# Altium PCB SI941C.PcbDoc (part 1 of 3)
Units mm, origin at the board's own origin, x right, y up, seen from the top; angles counter-clockwise.
Board outline 281.94 x 89 mm, 4 copper layers (Top, MidLayer1, MidLayer2, Bottom), stack 1.65 mm thick; 324 components, 169 nets, 867 pads, 510 vias.
Unrouted connection lines stored in the file: 3.
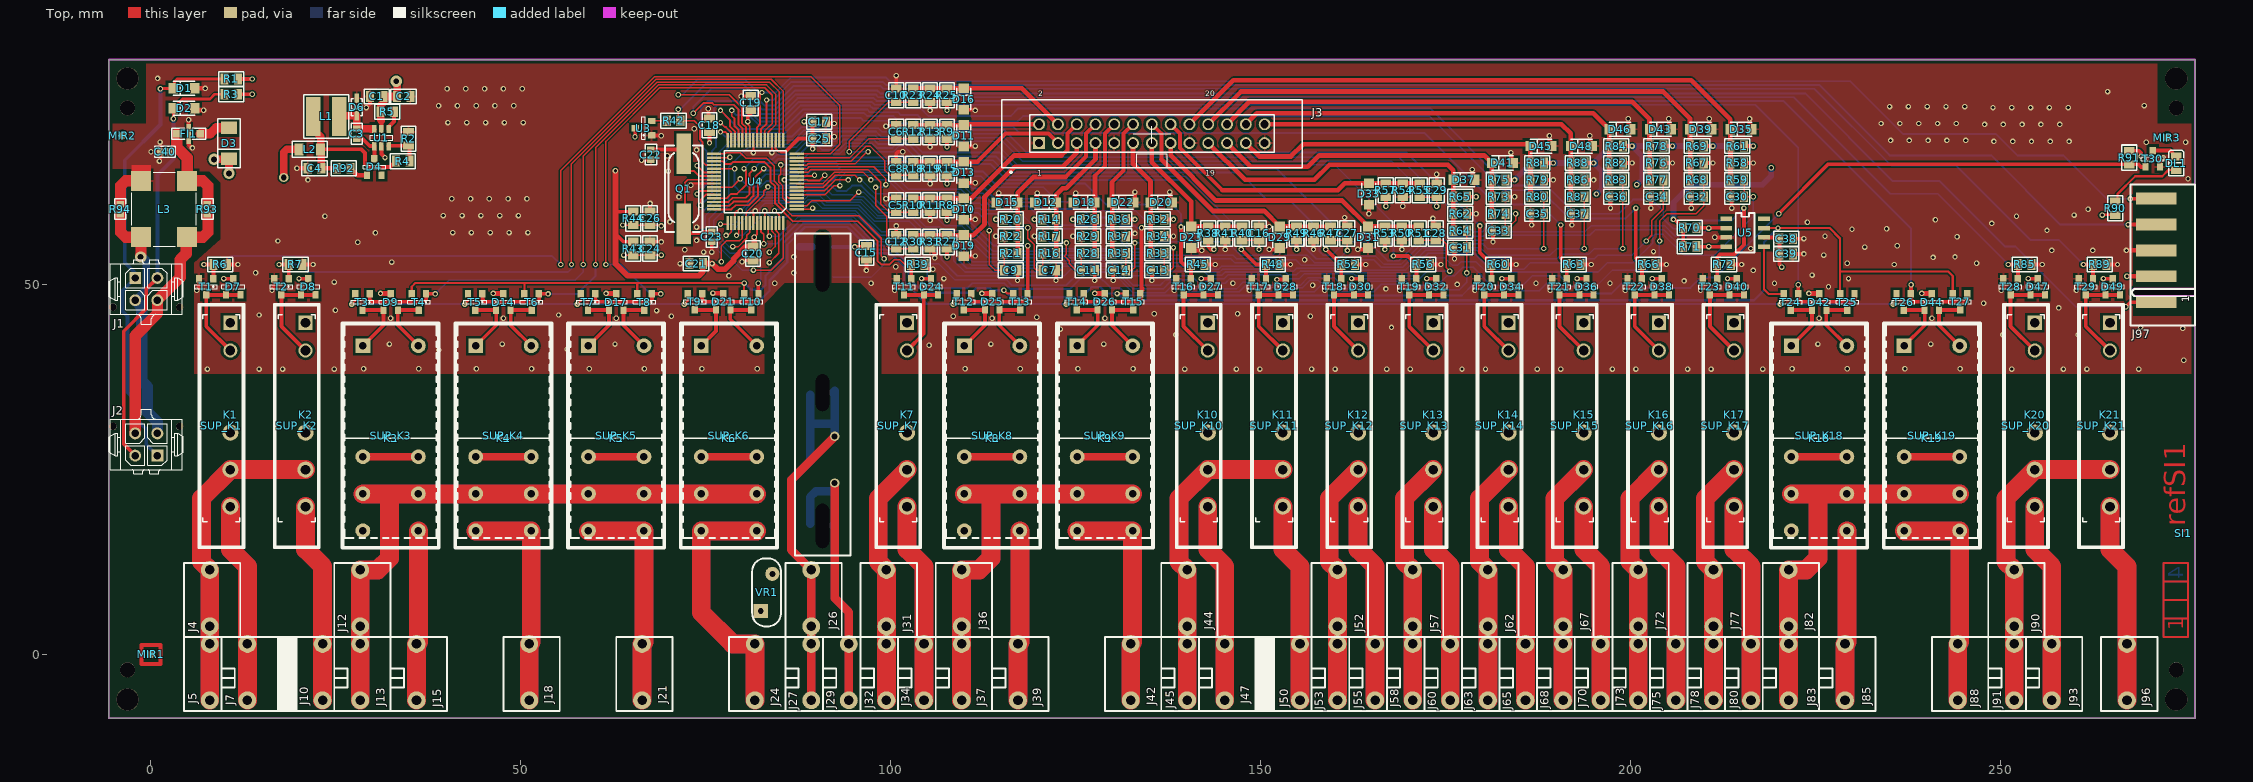
[diagram p0: Top view]
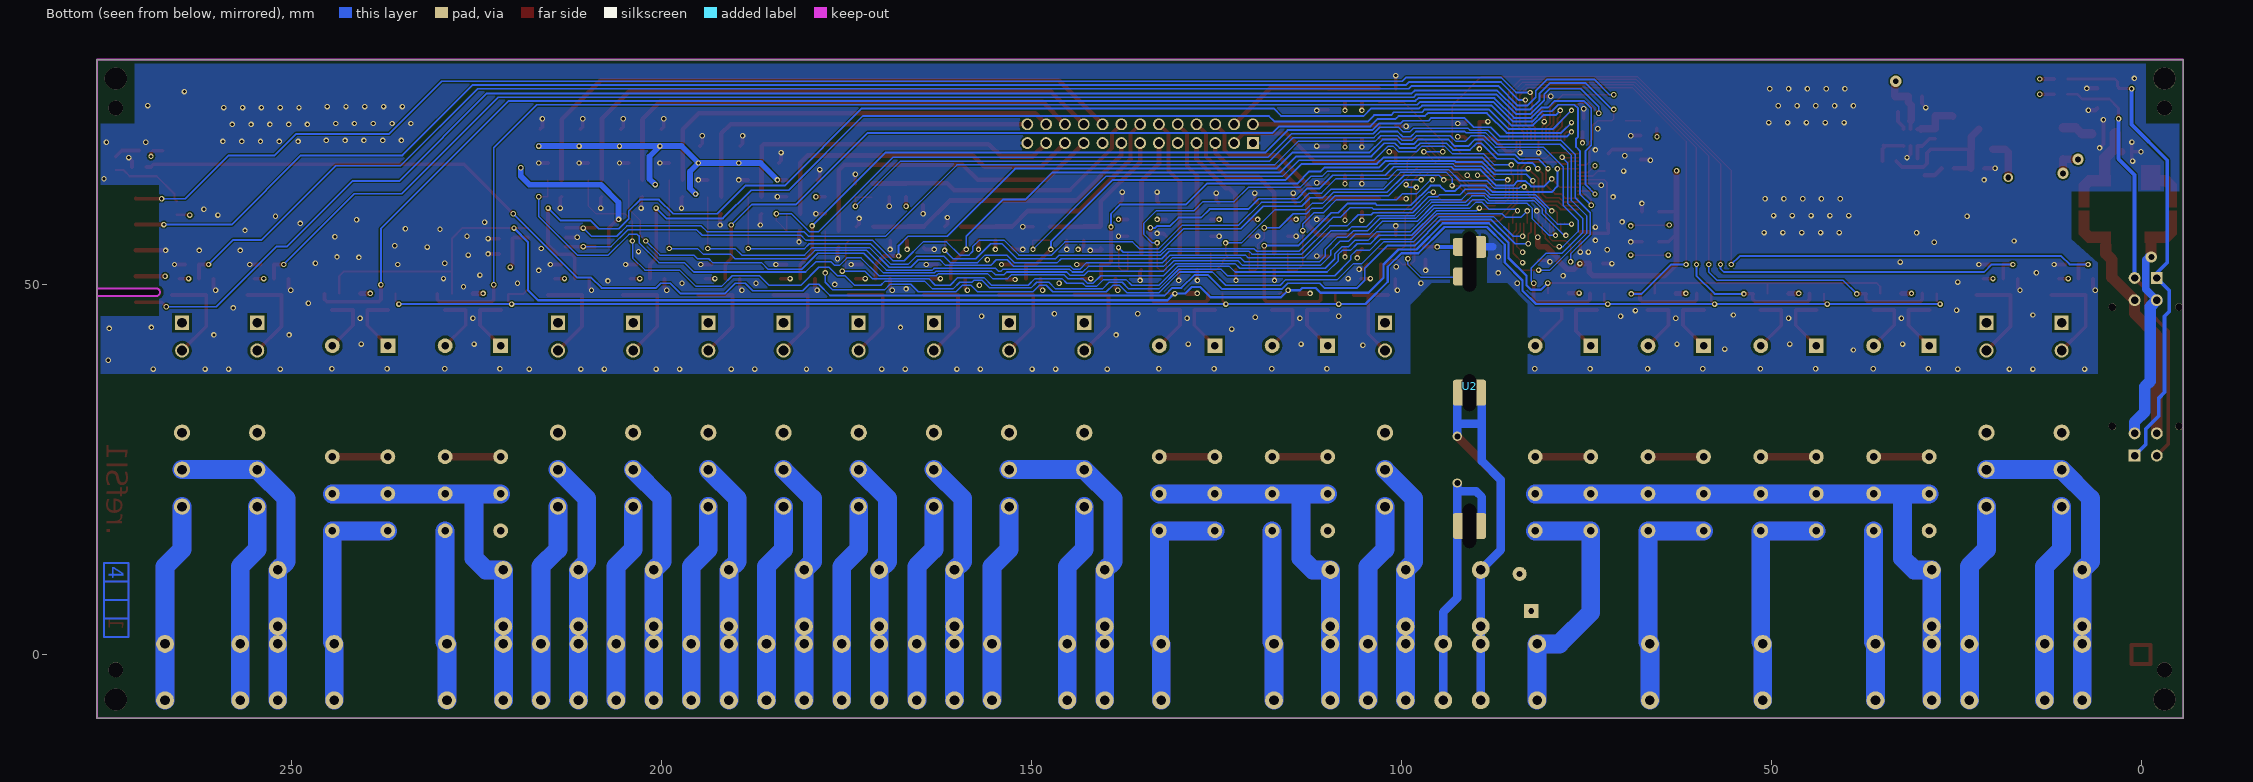
[diagram p1: Bottom view, seen from below]
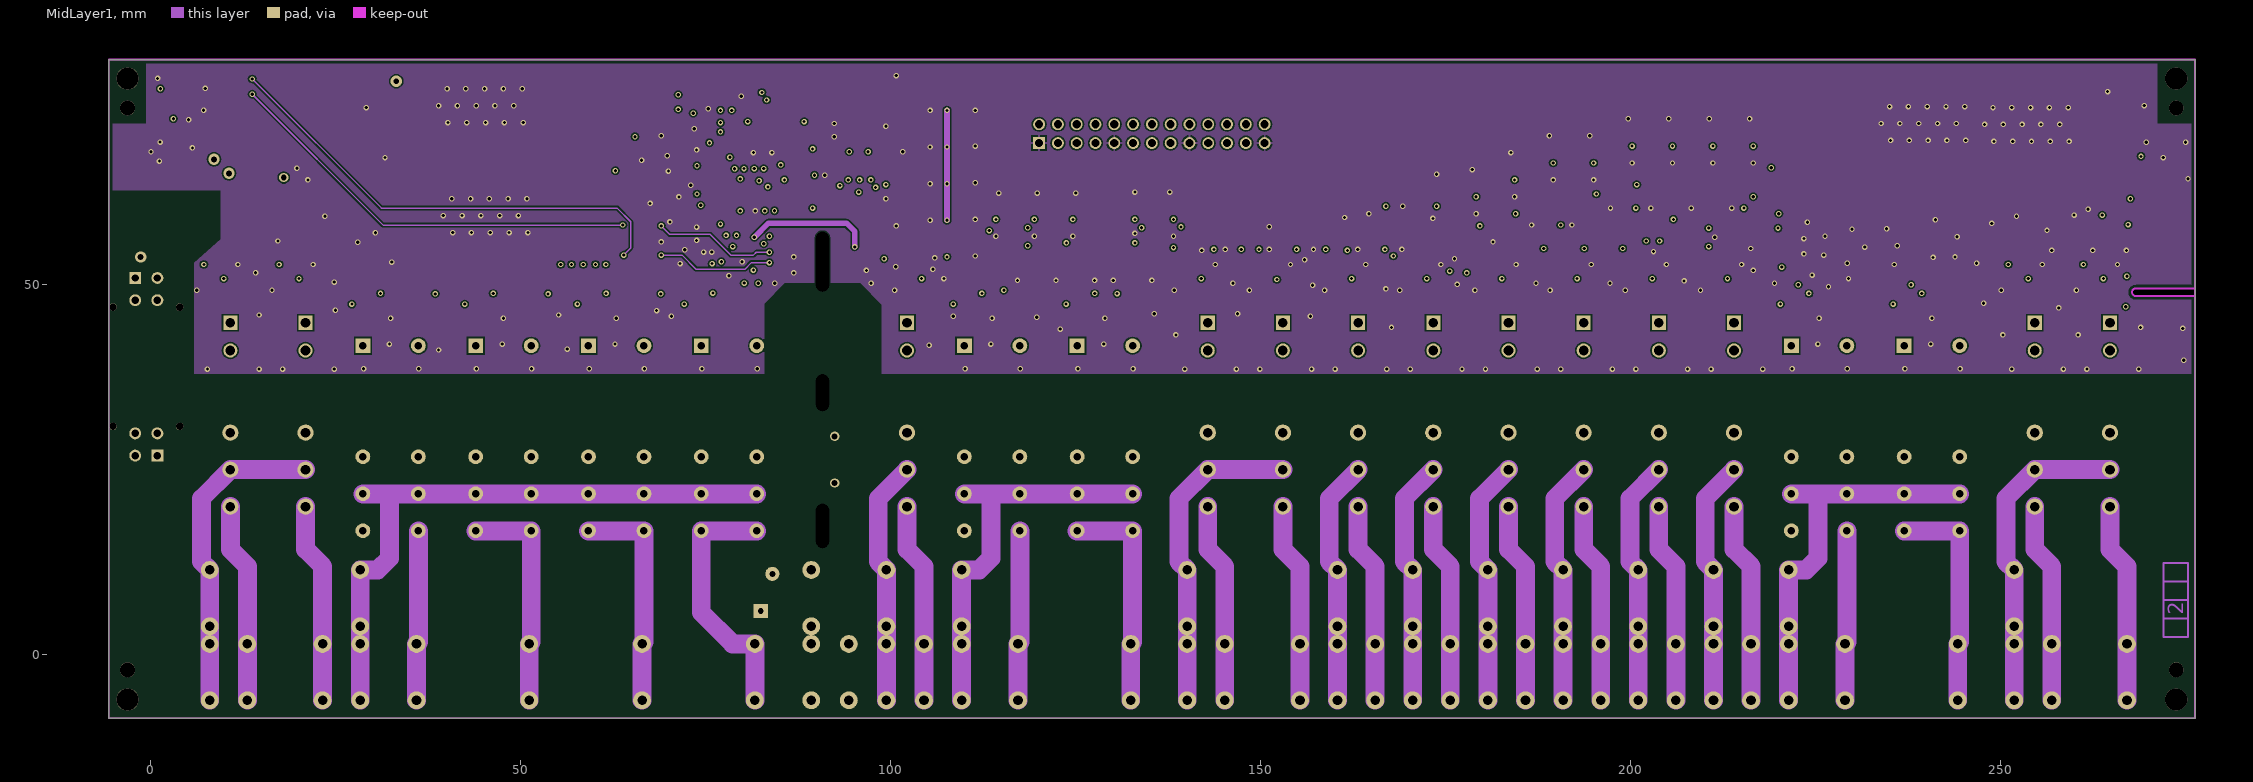
[diagram p2: MidLayer1]
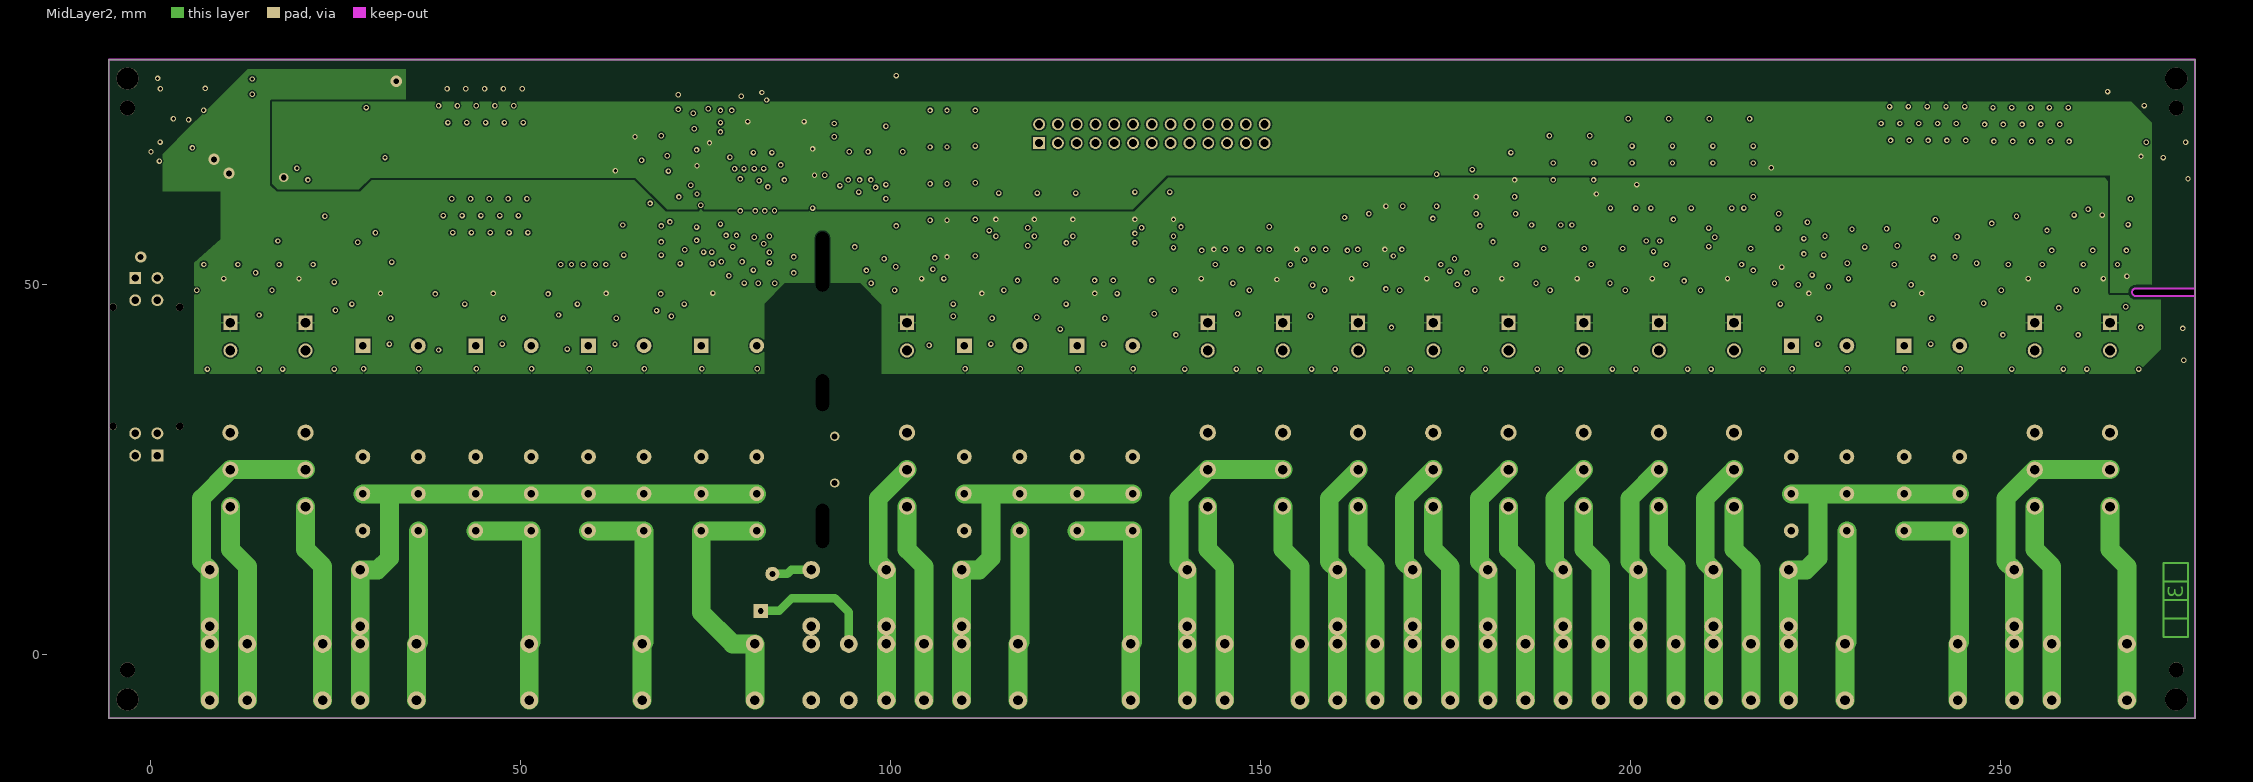
[diagram p3: MidLayer2]
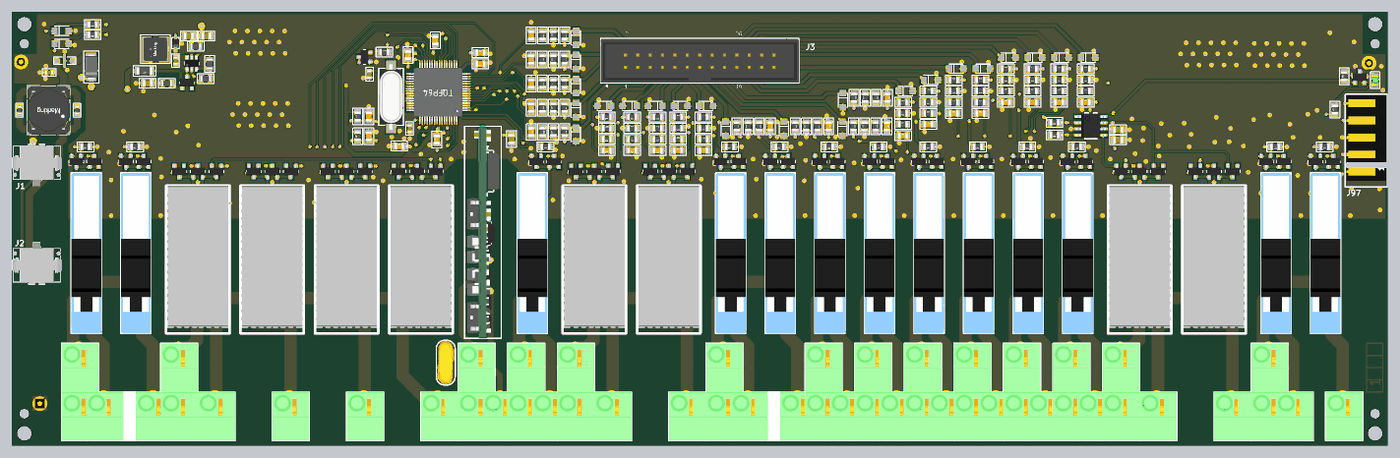
[diagram p6: 3D render of the assembled board from above, using the file's embedded part models]

## Layer stack, top to bottom
Top Mask: solder mask 0.0102, Solder Resist, Dk 3.5
Top: signal copper 0.035
Dielectric1: prepreg 0.4, FR-4, Dk 4.8
MidLayer1: signal copper 0.035
Dielectric2: core 0.71, FR-4, Dk 4.8
MidLayer2: signal copper 0.035
Dielectric3: prepreg 0.4, FR-4, Dk 4.8
Bottom: signal copper 0.035
Bot Mask: solder mask 0.0102, Solder Resist, Dk 3.5

## Board outline
-5.715,-8.62 276.225,-8.62 276.225,80.38 -5.715,80.38
cut-out: 268.229,48.441 cw(c268.229,48.96) 268.229,49.479 276.225,49.479 276.225,48.441

## Design rules (kind name [scope] priority, off if disabled: settings)
Clearance Clearance_Copper_Board [InPolygon vs (OnLayer('Board'))] p1: gap=0.381
Clearance Clearance_BT_MID [IsElectrical and (InNetClass('BT') or haspad('K*-12') )  and OnMid     and not IsRegion vs IsElectrical and not (InNetClass('BT')) and OnMid          and not IsRegion] p2: gap=0.7
Clearance Clearance_BT_EXT [IsElectrical and (InNetClass('BT') or haspad('K*-12') )     and not onmid vs IsElectrical and not (InNetClass('BT')) and not onmid] p3: gap=5.5
Clearance Clearance_Copper_Copper [InPolygon vs InPolygon] p4: gap=0.35
Clearance Clearance_CopperToPad_EXT [InPolygon and (OnBottomLayer or OnTopLayer) vs IsPad] p5: gap=0.35
Clearance Clearance_CopperToPad_MID [InPolygon vs IsPad] p6: gap=0.2
Clearance Clearance_CopperToWire_x [InPolygon vs (not IsPad and not isboard)] p7: gap=0.2
Clearance Clearance_PadToPad [IsElectrical      and IsPad vs IsElectrical      and IsPad] p8: gap=0.15
Clearance Clearance_PadToWire_x [IsElectrical      and IsPad vs IsElectrical      and IsWire] p9: gap=0.15
Clearance Clearance_WireToWire_x [IsWire vs IsWire] p10: gap=0.15
Clearance Clearance_ViaToPad_x [IsVia vs IsPad] p11: gap=0.15
Clearance Clearance_ViaToPad_x_1 [IsVia vs IsPad] p12: gap=0.102
Clearance Clearance_ViaToWire_x [IsVia vs IsWire] p13: gap=0.15
Clearance Clearance_ViaToVia_x [ExistsOnLayer('Top') And IsVia vs ExistsOnLayer('Top') And IsVia] p14: gap=0.15
Clearance Clearance_Design_HoleToHole [(IsVia Or IsThruPin) vs (IsVia Or IsThruPin)] p15: gap=0.15
ComponentClearance [All] p1: gap=0.254 collisioncheckmode=3 verticalgap=2540 showdistances=FALSE
FabricationTestPointUsage TestPointUsage [All] p1: valid=0 allowmultiple=FALSE
FabricationTestpoint Testpoint [All] p1: side=3 testpointundercomponent=TRUE minsize=1.016 maxsize=2.54 preferedsize=1.524 minholesize=0 maxholesize=1.016 preferedholesize=0.813 testpointgrid=0.025 allowsidetop=TRUE allowsidebottom=TRUE usegrid=TRUE gridtolerance=0
HoleSize [All] p1: absolutevalues=TRUE maxlimit=10.16 minlimit=0.025 maxpercent=80.000 minpercent=20.000
MinimumSolderMaskSliver [All] p1: minsoldermaskwidth=0.102
PlaneClearance [All] p1: clearance=0.305
PlaneConnect [All] p1: planeconnectstyle=Direct reliefexpansion=0 reliefentries=4 reliefconductorwidth=0.254 reliefairgap=0.254
PolygonConnect PolygonConnect_1 [IsVia vs IsPolygon] p1: connectstyle=Direct reliefconductorwidth=0.254 reliefentries=4 polygonreliefangle="90 Angle" airgapwidth=0.254
PolygonConnect [IsPad vs IsPolygon] p2: connectstyle=Relief reliefconductorwidth=0.305 reliefentries=4 polygonreliefangle="90 Angle" airgapwidth=0.254
RoutingVias [All] p1: holewidth=0.432 width=0.737 viastyle="Through Hole" minholewidth=0.432 minwidth=0.737 maxholewidth=0.432 maxwidth=0.737
ShortCircuit [IsElectrical vs IsElectrical] p1: allowed=FALSE
SilkToSolderMaskClearance SilkscreenOverComponentPads [IsPad] p1: minsilkscreentomaskgap=0.254 clearancetoexposedcopper=TRUE
SolderMaskExpansion [All] p1: expansion=0.102
Width [All] p1: maxlimit=7.62 minlimit=0.152 preferedwidth=0.381 minimp=50.000000 maximp=50.000000 favimp=50.000000
21 further rules are at their usual default settings.

## Classes and differential pairs
net class BT: NetK1_12 NetK2_12 NetK3_12 NetK4_12 NetK5_12 NetK6_12 NetK7_12 NetK8_12 NetK9_12 NetK10_12 NetK11_12 NetK12_12 NetK13_12 NetK14_12 NetK15_12 NetK16_12 NetK17_12 NetK18_12 NetK19_12 NetK20_12 NetK21_12 RB0CO RB0NO RB1NO RB2NO RB3NO RB4CO RB4NO RB5NO RB6CO RB6NO RB7NO RM0CO RM0NO RM1NO RM2CO RM2NO RM3CO RM3NO RM4NO RM5CO RM5NO RM6CO RM6NO RM7CO RM7NO RM8CO RM8NO RM9CO RM9NO RM10CO RM10NO RM11CO RM11NO RM12NO RV0IN RV0OUT

## Components (designator, comment, footprint, x,y, rotation, side; value= is the part's Value field where it differs from the comment)
C1 "C_0805_X7R_10%_100N-50V" 0805_ReflowSoldering_CAP 30.512,75.406 r180 top
C2 "C_0805_X5R_10%_10U-16V" 0805_ReflowSoldering_CAP 34.131,75.406 r180 top
C3 "C_0603_X7R_10%_10N-50V" 0603_ReflowSoldering_CAP 27.813,70.362 r270 top
C4 "C_0805_X5R_10%_10U-16V" 0805_ReflowSoldering_CAP 22.098,65.722 r0 top
C5 "C_0805_X7R_10%_100N-50V" 0805_ReflowSoldering_CAP 100.711,60.706 r270 top
C6 "C_0805_X7R_10%_100N-50V" 0805_ReflowSoldering_CAP 100.711,70.612 r270 top
C7 "C_0805_X7R_10%_100N-50V" 0805_ReflowSoldering_CAP 121.412,51.943 r180 top
C8 "C_0805_X7R_10%_100N-50V" 0805_ReflowSoldering_CAP 100.711,65.659 r270 top
C9 "C_0805_X7R_10%_100N-50V" 0805_ReflowSoldering_CAP 116.205,51.943 r180 top
C10 "C_0805_X7R_10%_100N-50V" 0805_ReflowSoldering_CAP 100.711,75.565 r270 top
C11 "C_0805_X7R_10%_100N-50V" 0805_ReflowSoldering_CAP 126.619,51.943 r180 top
C12 "C_0805_X7R_10%_100N-50V" 0805_ReflowSoldering_CAP 100.711,55.753 r270 top
C13 "C_0805_X7R_10%_100N-50V" 0805_ReflowSoldering_CAP 136.017,51.943 r0 top
C14 "C_0805_X7R_10%_100N-50V" 0805_ReflowSoldering_CAP 130.81,51.943 r0 top
C15 "C_0805_X7R_10%_100N-50V" 0805_ReflowSoldering_CAP 96.679,54.292 r270 top
C16 "C_0805_X7R_10%_100N-50V" 0805_ReflowSoldering_CAP 149.733,56.896 r270 top
C17 "C_0805_X7R_10%_100N-50V" 0805_ReflowSoldering_CAP 90.297,72.009 r0 top
C18 "C_0805_X7R_10%_100N-50V" 0805_ReflowSoldering_CAP 75.474,71.518 r270 top
C19 "C_0805_X7R_10%_100N-50V" 0805_ReflowSoldering_CAP 81.03,74.534 r270 top
C20 "C_0805_X7R_10%_100N-50V" 0805_ReflowSoldering_CAP 81.347,54.183 r90 top
C21 "C_0805_X7R_10%_100N-50V" 0805_ReflowSoldering_CAP 73.66,52.832 r0 top
C22 "C_0603_NPO_5%_18P-50V" 0603_ReflowSoldering_CAP 67.564,67.564 r90 top
C23 "C_0603_NPO_5%_18P-50V" 0603_ReflowSoldering_CAP 75.791,56.437 r90 top
C24 "C_0805_NPO_5%_22P-100V" 0805_ReflowSoldering_CAP 67.437,54.864 r270 top
C25 "C_0805_X7R_10%_100N-50V" 0805_ReflowSoldering_CAP 90.297,69.723 r180 top
C26 "C_0805_NPO_5%_22P-100V" 0805_ReflowSoldering_CAP 67.437,58.928 r270 top
C27 "C_0805_X7R_10%_100N-50V" 0805_ReflowSoldering_CAP 161.671,56.896 r270 top
C28 "C_0805_X7R_10%_100N-50V" 0805_ReflowSoldering_CAP 173.609,56.896 r270 top
C29 "C_0805_X7R_10%_100N-50V" 0805_ReflowSoldering_CAP 173.736,62.738 r270 top
C30 "C_0805_X7R_10%_100N-50V" 0805_ReflowSoldering_CAP 214.376,61.849 r0 top
C31 "C_0805_X7R_10%_100N-50V" 0805_ReflowSoldering_CAP 176.911,54.991 r0 top
C32 "C_0805_X7R_10%_100N-50V" 0805_ReflowSoldering_CAP 208.915,61.849 r0 top
C33 "C_0805_X7R_10%_100N-50V" 0805_ReflowSoldering_CAP 182.118,57.277 r0 top
C34 "C_0805_X7R_10%_100N-50V" 0805_ReflowSoldering_CAP 203.454,61.849 r0 top
C35 "C_0805_X7R_10%_100N-50V" 0805_ReflowSoldering_CAP 187.325,59.563 r0 top
C36 "C_0805_X7R_10%_100N-50V" 0805_ReflowSoldering_CAP 197.993,61.849 r0 top
C37 "C_0805_X7R_10%_100N-50V" 0805_ReflowSoldering_CAP 192.786,59.563 r0 top
C38 "C_0805_X7R_10%_100N-50V" 0805_ReflowSoldering_CAP 220.98,56.197 r0 top
C39 "C_0805_X5R_10%_10U-16V" 0805_ReflowSoldering_CAP 220.98,54.134 r180 top
C40 "C_0603_NPO_5%_220pF-50V" 0603_ReflowSoldering_CAP 1.905,67.945 r0 top
D1 "SMF5V0A-GS08" DO219AB-SMF-P_ReflowSoldering 4.477,76.502 r0 top
D2 "SMF5V0A-GS08" DO219AB-SMF-P_ReflowSoldering 4.477,73.803 r0 top
D3 "GF1B" DO214BA-P 10.541,69.072 r90 top
D4 "BAT54C" SOT23_3L_ReflowSoldering#1 30.194,65.881 r270 top
D6 "PMEG2020AEA" SOD323_ReflowSoldering 27.813,73.977 r90 top
D7 "BAT54C" SOT23_3L_ReflowSoldering#1 11.112,49.689 r270 top
D8 "BAT54C" SOT23_3L_ReflowSoldering#1 21.273,49.689 r270 top
D9 "BAT54C" SOT23_3L_ReflowSoldering#1 32.385,47.625 r270 top
D10 "SMF5V0A-GS08" DO219AB-SMF-P_ReflowSoldering 109.855,60.198 r270 top
D11 "SMF5V0A-GS08" DO219AB-SMF-P_ReflowSoldering 109.855,70.104 r270 top
D12 "SMF5V0A-GS08" DO219AB-SMF-P_ReflowSoldering 120.904,61.087 r180 top
D13 "SMF5V0A-GS08" DO219AB-SMF-P_ReflowSoldering 109.855,65.151 r270 top
D14 "BAT54C" SOT23_3L_ReflowSoldering#1 47.625,47.625 r270 top
D15 "SMF5V0A-GS08" DO219AB-SMF-P_ReflowSoldering 115.697,61.087 r180 top
D16 "SMF5V0A-GS08" DO219AB-SMF-P_ReflowSoldering 109.855,75.057 r270 top
D17 "BAT54C" SOT23_3L_ReflowSoldering#1 62.865,47.625 r270 top
D18 "SMF5V0A-GS08" DO219AB-SMF-P_ReflowSoldering 126.111,61.087 r180 top
D19 "SMF5V0A-GS08" DO219AB-SMF-P_ReflowSoldering 109.855,55.245 r270 top
D20 "SMF5V0A-GS08" DO219AB-SMF-P_ReflowSoldering 136.525,61.087 r0 top
D21 "BAT54C" SOT23_3L_ReflowSoldering#1 77.311,47.67 r270 top
D22 "SMF5V0A-GS08" DO219AB-SMF-P_ReflowSoldering 131.318,61.087 r0 top
D23 "SMF5V0A-GS08" DO219AB-SMF-P_ReflowSoldering 140.589,56.388 r270 top
D24 "BAT54C" SOT23_3L_ReflowSoldering#1 105.41,49.689 r270 top
D25 "BAT54C" SOT23_3L_ReflowSoldering#1 113.665,47.67 r270 top
D26 "BAT54C" SOT23_3L_ReflowSoldering#1 128.905,47.67 r270 top
D27 "BAT54C" SOT23_3L_ReflowSoldering#1 143.192,49.689 r270 top
D28 "BAT54C" SOT23_3L_ReflowSoldering#1 153.352,49.689 r270 top
D29 "SMF5V0A-GS08" DO219AB-SMF-P_ReflowSoldering 152.527,56.388 r270 top
D30 "BAT54C" SOT23_3L_ReflowSoldering#1 163.512,49.689 r270 top
D31 "SMF5V0A-GS08" DO219AB-SMF-P_ReflowSoldering 164.465,56.388 r270 top
D32 "BAT54C" SOT23_3L_ReflowSoldering#1 173.672,49.689 r270 top
D33 "SMF5V0A-GS08" DO219AB-SMF-P_ReflowSoldering 164.592,62.23 r270 top
D34 "BAT54C" SOT23_3L_ReflowSoldering#1 183.832,49.689 r270 top
D35 "SMF5V0A-GS08" DO219AB-SMF-P_ReflowSoldering 214.884,70.993 r0 top
D36 "BAT54C" SOT23_3L_ReflowSoldering#1 193.992,49.689 r270 top
D37 "SMF5V0A-GS08" DO219AB-SMF-P_ReflowSoldering 177.419,64.135 r0 top
D38 "BAT54C" SOT23_3L_ReflowSoldering#1 204.152,49.689 r270 top
D39 "SMF5V0A-GS08" DO219AB-SMF-P_ReflowSoldering 209.423,70.993 r0 top
D40 "BAT54C" SOT23_3L_ReflowSoldering#1 214.312,49.689 r270 top
D41 "SMF5V0A-GS08" DO219AB-SMF-P_ReflowSoldering 182.626,66.421 r0 top
D42 "BAT54C" SOT23_3L_ReflowSoldering#1 225.425,47.625 r270 top
D43 "SMF5V0A-GS08" DO219AB-SMF-P_ReflowSoldering 203.962,70.993 r0 top
D44 "BAT54C" SOT23_3L_ReflowSoldering#1 240.665,47.625 r270 top
D45 "SMF5V0A-GS08" DO219AB-SMF-P_ReflowSoldering 187.833,68.707 r0 top
D46 "SMF5V0A-GS08" DO219AB-SMF-P_ReflowSoldering 198.501,70.993 r0 top
D47 "BAT54C" SOT23_3L_ReflowSoldering#1 254.952,49.689 r270 top
D48 "SMF5V0A-GS08" DO219AB-SMF-P_ReflowSoldering 193.294,68.707 r0 top
D49 "BAT54C" SOT23_3L_ReflowSoldering#1 265.113,49.689 r270 top
DL1 "LED_0805_VERT_KP2012" LED_0805_KPx_Green 273.685,66.38 r270 top locked
FI1 "EMIFIL_220P_25V/6A_NFE31PT221D1E9L" NFE31P 5.08,70.358 r0 top
J1 "MICRO-MATE-N-LOK_WURTH_2X02_D" MICRO-MATE-N-LOK_WURTH+TYCO_2X02_D -0.635,49.38 r180 top
J2 "MICRO-MATE-N-LOK_WURTH_2X02_D" MICRO-MATE-N-LOK_WURTH+TYCO_2X02_D -0.635,28.38 r0 top
J3 "61202621621" IDC2P54_26P 135.255,70.38 r0 top locked
J4 "BRESS_CI_D_7.62_01_FFKDSA1/V2" BRESS_FFKDSA1/V2-7,62_P1.3 4.445,2.38 r0 top
J5 "BRESS_CI_D_5.08_01_FFKDS/V2" BRESS_FFKDS/V2-5,08_P1.3 4.445,-7.62 r0 top
J7 "BRESS_CI_D_7.62_01_FFKDSA1/V2" BRESS_FFKDSA1/V2-7,62_P1.3 9.525,-7.62 r0 top
J10 "BRESS_CI_D_5.08_01_FFKDS/V2" BRESS_FFKDS/V2-5,08_P1.3 19.685,-7.62 r0 top
J12 "BRESS_CI_D_7.62_01_FFKDSA1/V2" BRESS_FFKDSA1/V2-7,62_P1.3 24.765,2.38 r0 top
J13 "BRESS_CI_D_7.62_01_FFKDSA/V2" BRESS_FFKDSA/V2-7,62_P1.3 24.765,-7.62 r0 top
J15 "BRESS_CI_D_7.62_01_FFKDSA1/V2" BRESS_FFKDSA1/V2-7,62_P1.3 32.385,-7.62 r0 top
J18 "BRESS_CI_D_7.62_01_FFKDSA1/V2" BRESS_FFKDSA1/V2-7,62_P1.3 47.625,-7.62 r0 top
J21 "BRESS_CI_D_7.62_01_FFKDSA1/V2" BRESS_FFKDSA1/V2-7,62_P1.3 62.865,-7.62 r0 top
J24 "BRESS_CI_D_7.62_01_FFKDSA/V2" BRESS_FFKDSA/V2-7,62_P1.3 78.105,-7.62 r0 top
J26 "BRESS_CI_D_7.62_01_FFKDSA1/V2" BRESS_FFKDSA1/V2-7,62_P1.3 85.725,2.38 r0 top
J27 "BRESS_CI_D_5.08_01_FFKDS/V2" BRESS_FFKDS/V2-5,08_P1.3 85.725,-7.62 r0 top
J29 "BRESS_CI_D_5.08_01_FFKDS/V2" BRESS_FFKDS/V2-5,08_P1.3 90.805,-7.62 r0 top
J31 "BRESS_CI_D_7.62_01_FFKDSA1/V2" BRESS_FFKDSA1/V2-7,62_P1.3 95.885,2.38 r0 top
J32 "BRESS_CI_D_5.08_01_FFKDS/V2" BRESS_FFKDS/V2-5,08_P1.3 95.885,-7.62 r0 top
J34 "BRESS_CI_D_5.08_01_FFKDS/V2" BRESS_FFKDS/V2-5,08_P1.3 100.965,-7.62 r0 top
J36 "BRESS_CI_D_7.62_01_FFKDSA1/V2" BRESS_FFKDSA1/V2-7,62_P1.3 106.045,2.38 r0 top
J37 "BRESS_CI_D_7.62_01_FFKDSA/V2" BRESS_FFKDSA/V2-7,62_P1.3 106.045,-7.62 r0 top
J39 "BRESS_CI_D_7.62_01_FFKDSA1/V2" BRESS_FFKDSA1/V2-7,62_P1.3 113.665,-7.62 r0 top
J42 "BRESS_CI_D_7.62_01_FFKDSA/V2" BRESS_FFKDSA/V2-7,62_P1.3 128.905,-7.62 r0 top
J44 "BRESS_CI_D_7.62_01_FFKDSA1/V2" BRESS_FFKDSA1/V2-7,62_P1.3 136.525,2.38 r0 top
J45 "BRESS_CI_D_5.08_01_FFKDS/V2" BRESS_FFKDS/V2-5,08_P1.3 136.525,-7.62 r0 top
J47 "BRESS_CI_D_7.62_01_FFKDSA1/V2" BRESS_FFKDSA1/V2-7,62_P1.3 141.605,-7.62 r0 top
J50 "BRESS_CI_D_5.08_01_FFKDS/V2" BRESS_FFKDS/V2-5,08_P1.3 151.765,-7.62 r0 top
J52 "BRESS_CI_D_7.62_01_FFKDSA1/V2" BRESS_FFKDSA1/V2-7,62_P1.3 156.845,2.38 r0 top
J53 "BRESS_CI_D_5.08_01_FFKDS/V2" BRESS_FFKDS/V2-5,08_P1.3 156.845,-7.62 r0 top
J55 "BRESS_CI_D_5.08_01_FFKDS/V2" BRESS_FFKDS/V2-5,08_P1.3 161.925,-7.62 r0 top
J57 "BRESS_CI_D_7.62_01_FFKDSA1/V2" BRESS_FFKDSA1/V2-7,62_P1.3 167.005,2.38 r0 top
J58 "BRESS_CI_D_5.08_01_FFKDS/V2" BRESS_FFKDS/V2-5,08_P1.3 167.005,-7.62 r0 top
J60 "BRESS_CI_D_5.08_01_FFKDS/V2" BRESS_FFKDS/V2-5,08_P1.3 172.085,-7.62 r0 top
J62 "BRESS_CI_D_7.62_01_FFKDSA1/V2" BRESS_FFKDSA1/V2-7,62_P1.3 177.165,2.38 r0 top
J63 "BRESS_CI_D_5.08_01_FFKDS/V2" BRESS_FFKDS/V2-5,08_P1.3 177.165,-7.62 r0 top
J65 "BRESS_CI_D_5.08_01_FFKDS/V2" BRESS_FFKDS/V2-5,08_P1.3 182.245,-7.62 r0 top
J67 "BRESS_CI_D_7.62_01_FFKDSA1/V2" BRESS_FFKDSA1/V2-7,62_P1.3 187.325,2.38 r0 top
J68 "BRESS_CI_D_5.08_01_FFKDS/V2" BRESS_FFKDS/V2-5,08_P1.3 187.325,-7.62 r0 top
J70 "BRESS_CI_D_5.08_01_FFKDS/V2" BRESS_FFKDS/V2-5,08_P1.3 192.405,-7.62 r0 top
J72 "BRESS_CI_D_7.62_01_FFKDSA1/V2" BRESS_FFKDSA1/V2-7,62_P1.3 197.485,2.38 r0 top
J73 "BRESS_CI_D_5.08_01_FFKDS/V2" BRESS_FFKDS/V2-5,08_P1.3 197.485,-7.62 r0 top
J75 "BRESS_CI_D_5.08_01_FFKDS/V2" BRESS_FFKDS/V2-5,08_P1.3 202.565,-7.62 r0 top
J77 "BRESS_CI_D_7.62_01_FFKDSA1/V2" BRESS_FFKDSA1/V2-7,62_P1.3 207.645,2.38 r0 top
J78 "BRESS_CI_D_5.08_01_FFKDS/V2" BRESS_FFKDS/V2-5,08_P1.3 207.645,-7.62 r0 top
J80 "BRESS_CI_D_5.08_01_FFKDS/V2" BRESS_FFKDS/V2-5,08_P1.3 212.725,-7.62 r0 top
J82 "BRESS_CI_D_7.62_01_FFKDSA1/V2" BRESS_FFKDSA1/V2-7,62_P1.3 217.805,2.38 r0 top
J83 "BRESS_CI_D_7.62_01_FFKDSA/V2" BRESS_FFKDSA/V2-7,62_P1.3 217.805,-7.62 r0 top
J85 "BRESS_CI_D_7.62_01_FFKDSA1/V2" BRESS_FFKDSA1/V2-7,62_P1.3 225.425,-7.62 r0 top
J88 "BRESS_CI_D_7.62_01_FFKDSA/V2" BRESS_FFKDSA/V2-7,62_P1.3 240.665,-7.62 r0 top
J90 "BRESS_CI_D_7.62_01_FFKDSA1/V2" BRESS_FFKDSA1/V2-7,62_P1.3 248.285,2.38 r0 top
J91 "BRESS_CI_D_5.08_01_FFKDS/V2" BRESS_FFKDS/V2-5,08_P1.3 248.285,-7.62 r0 top
J93 "BRESS_CI_D_7.62_01_FFKDSA1/V2" BRESS_FFKDSA1/V2-7,62_P1.3 253.365,-7.62 r0 top
J96 "BRESS_CI_D_7.62_01_FFKDSA1/V2" BRESS_FFKDSA1/V2-7,62_P1.3 263.525,-7.62 r0 top
J97 "EMB_ZEC_1893711_HOTE" EMB_ZEC_1893711_HOTE_NOBOTT 270.975,54.61 r90 top
K1 "RELAY_12VDC_1RT_34.51" RELAY_FINDER_34.51_+SUPPORT_93 9.525,30.88 r270 top
K2 "RELAY_12VDC_1RT_34.51" RELAY_FINDER_34.51_+SUPPORT_93 19.685,30.88 r270 top
K3 "RELAY_12VDC_1RT_BI_40.61.6" RELAY_FINDER_40.61_+SUPPORT_95 32.385,29.575 r0 top
K4 "RELAY_12VDC_1RT_BI_40.61.6" RELAY_FINDER_40.61_+SUPPORT_95 47.625,29.575 r0 top
K5 "RELAY_12VDC_1RT_BI_40.61.6" RELAY_FINDER_40.61_+SUPPORT_95 62.865,29.575 r0 top locked
K6 "RELAY_12VDC_1RT_BI_40.61.6" RELAY_FINDER_40.61_+SUPPORT_95 78.105,29.575 r0 top locked
K7 "RELAY_12VDC_1RT_34.51" RELAY_FINDER_34.51_+SUPPORT_93 100.965,30.88 r270 top locked
K8 "RELAY_12VDC_1RT_BI_40.61.6" RELAY_FINDER_40.61_+SUPPORT_95 113.665,29.575 r0 top
K9 "RELAY_12VDC_1RT_BI_40.61.6" RELAY_FINDER_40.61_+SUPPORT_95 128.905,29.575 r0 top
K10 "RELAY_12VDC_1RT_34.51" RELAY_FINDER_34.51_+SUPPORT_93 141.605,30.88 r270 top
K11 "RELAY_12VDC_1RT_34.51" RELAY_FINDER_34.51_+SUPPORT_93 151.765,30.88 r270 top
K12 "RELAY_12VDC_1RT_34.51" RELAY_FINDER_34.51_+SUPPORT_93 161.925,30.88 r270 top
K13 "RELAY_12VDC_1RT_34.51" RELAY_FINDER_34.51_+SUPPORT_93 172.085,30.88 r270 top